# KiCad board panelized.kicad_pcb
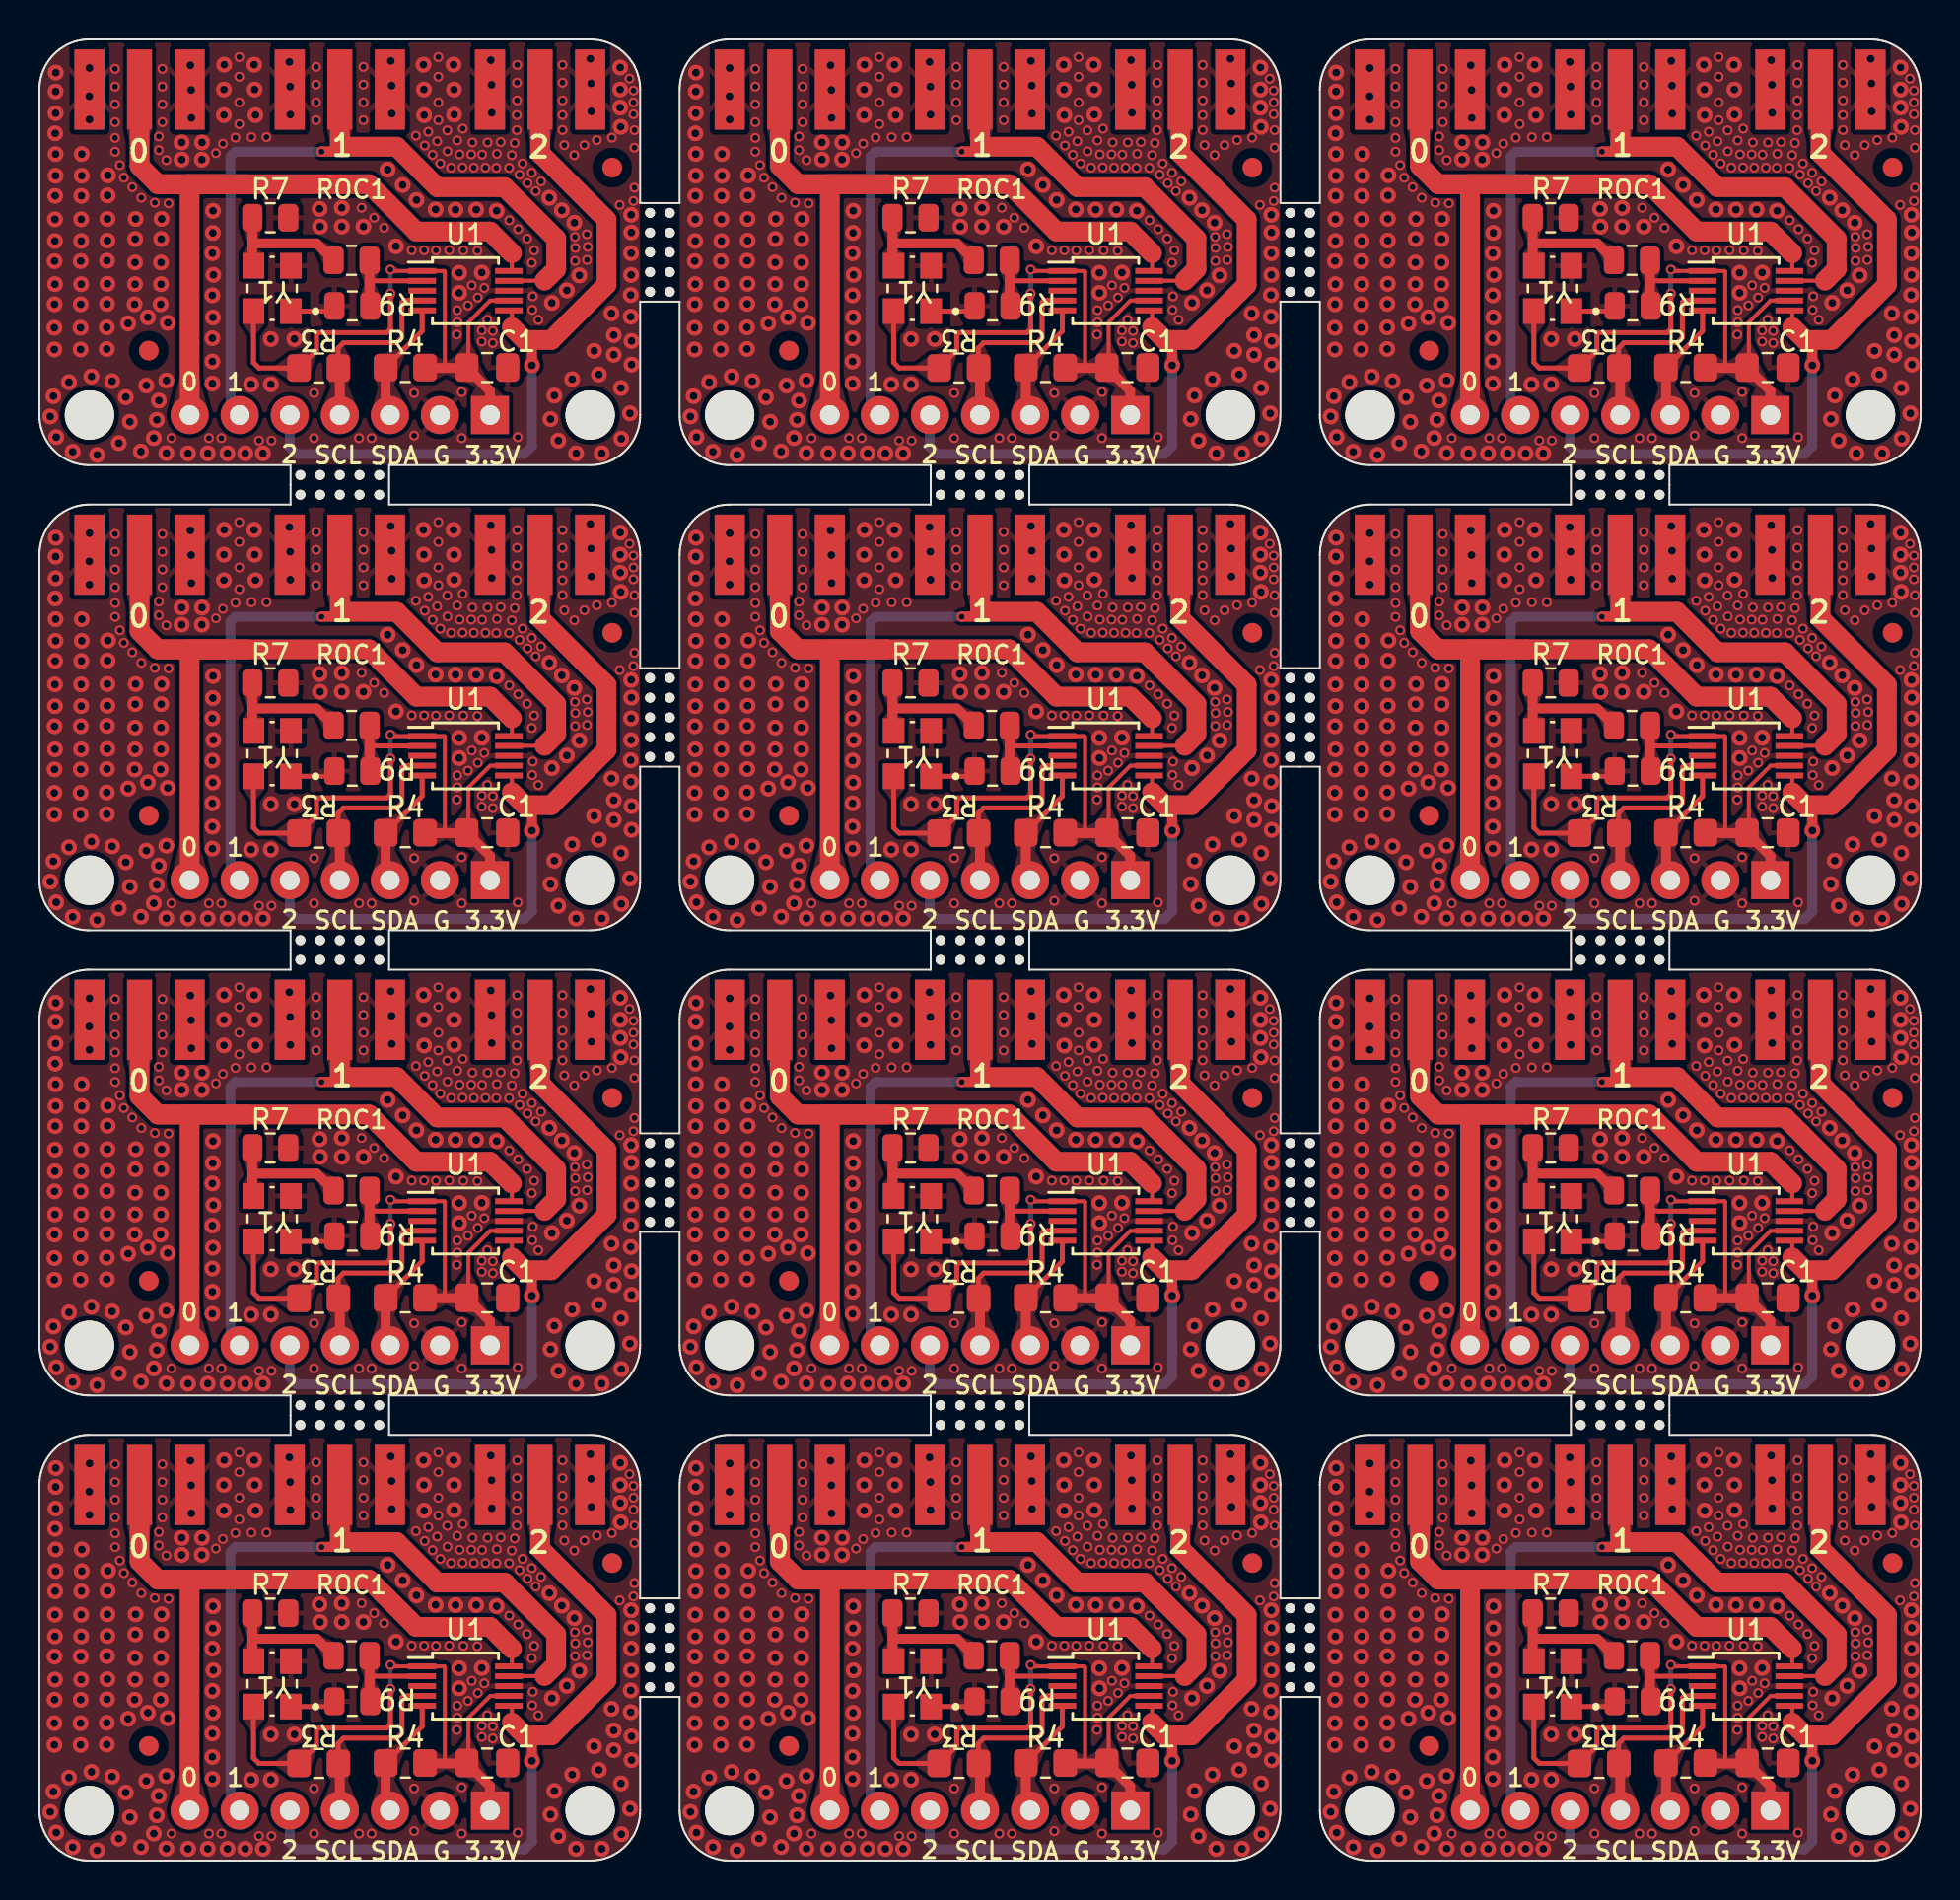
[diagram p0: board, top side]
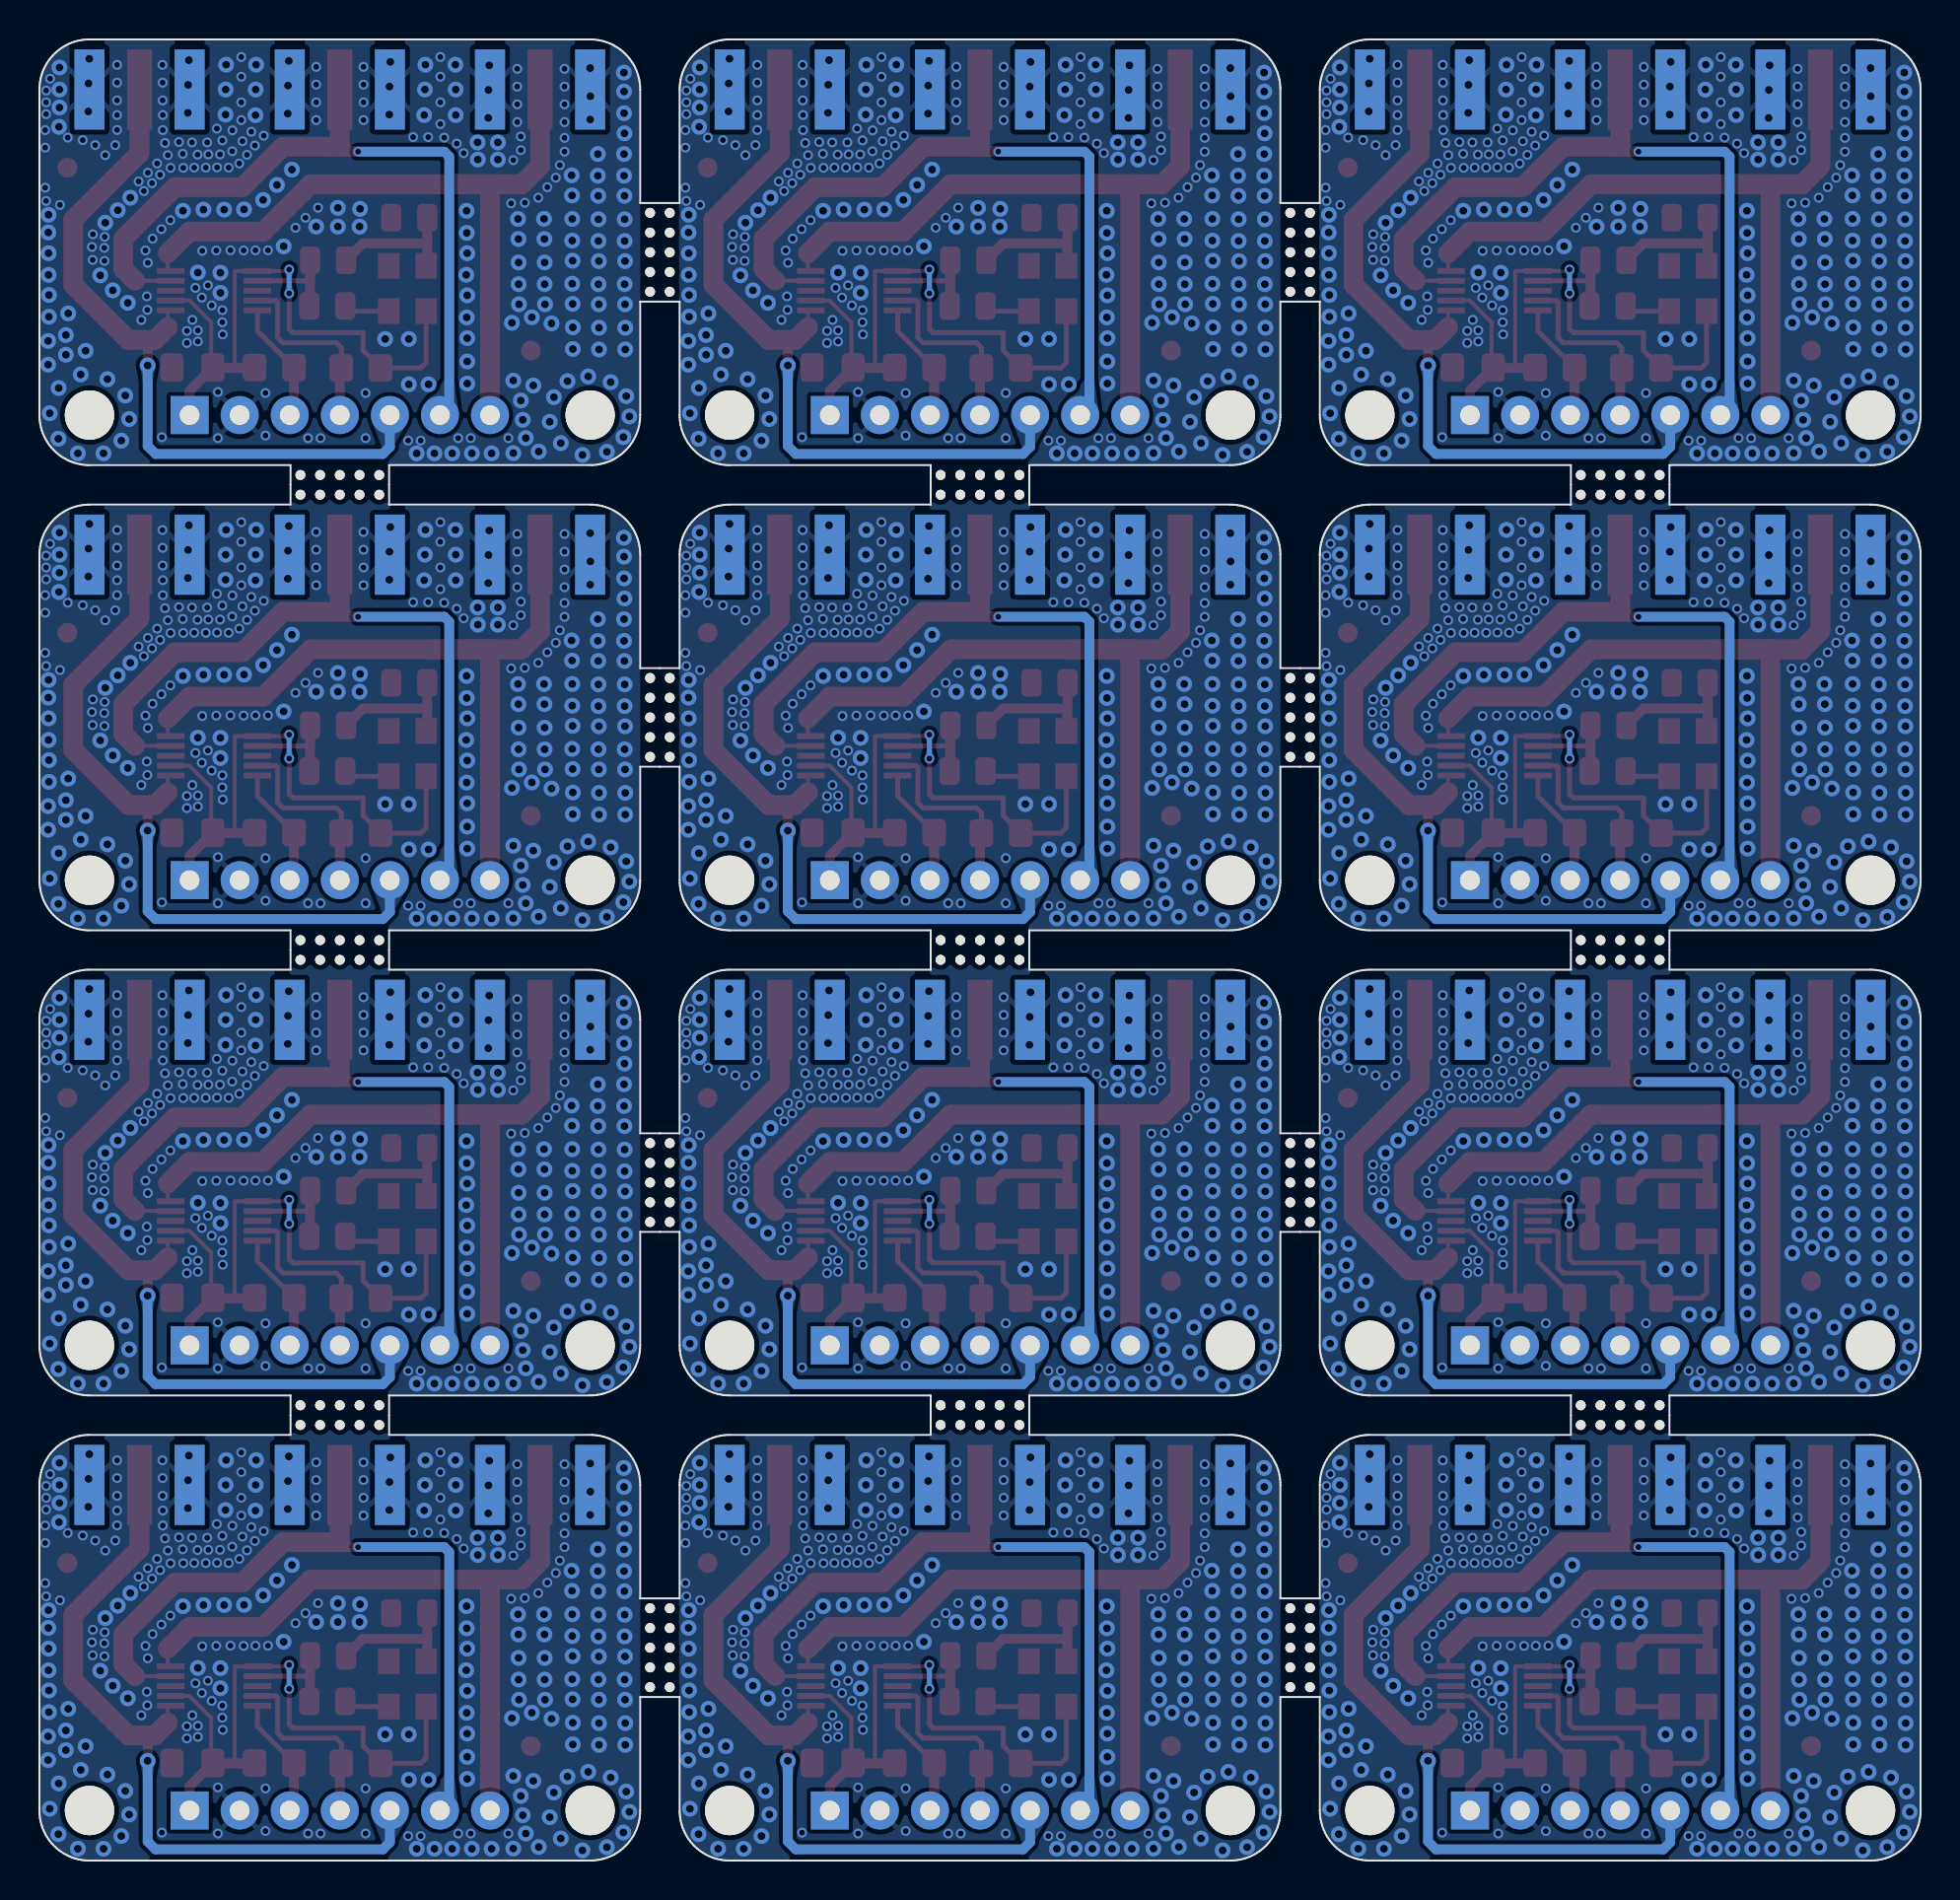
[diagram p1: board, bottom side, seen from below]

Outline 95.44 x 92.36 mm; copper layers: Top, Bottom. Coordinates in mm from the lower left corner of the outline.
Outline path: 0,89.82 0,73.31 0,73.18 0.01,73.05 0.03,72.93 0.05,72.8 0.08,72.67 0.12,72.55 0.16,72.43 0.21,72.31 0.26,72.19 0.32,72.08 0.38,71.97 0.46,71.86 0.53,71.76 0.61,71.66 0.7,71.56 0.79,71.47 0.89,71.38 0.99,71.3 1.09,71.23 1.2,71.15 1.31,71.09 1.42,71.03 1.54,70.98 1.66,70.93 1.78,70.89 1.9,70.85 2.03,70.82 2.16,70.8 2.28,70.78 2.41,70.77 2.54,70.77 12.74,70.77 12.74,68.77 2.54,68.77 2.41,68.77 2.28,68.76 2.16,68.74 2.03,68.72 1.9,68.69 1.78,68.65 1.66,68.61 1.54,68.56 1.42,68.51 1.31,68.45 1.2,68.39 1.09,68.31 0.99,68.24 0.89,68.16 0.79,68.07 0.7,67.98 0.61,67.88 0.53,67.78 0.46,67.68 0.38,67.57 0.32,67.46 0.26,67.35 0.21,67.23 0.16,67.11 0.12,66.99 0.08,66.87 0.05,66.74 0.03,66.61 0.01,66.49 0,66.36 0,66.23 0,49.72 0,49.59 0.01,49.46 0.03,49.34 0.05,49.21 0.08,49.08 0.12,48.96 0.16,48.84 0.21,48.72 0.26,48.6 0.32,48.49 0.38,48.38 0.46,48.27 0.53,48.17 0.61,48.07 0.7,47.97 0.79,47.88 0.89,47.79 0.99,47.71 1.09,47.64 1.2,47.56 1.31,47.5 1.42,47.44 1.54,47.39 1.66,47.34 1.78,47.3 1.9,47.26 2.03,47.23 2.16,47.21 2.28,47.19 2.41,47.18 2.54,47.18 12.74,47.18 12.74,45.18 2.54,45.18 2.41,45.18 2.28,45.17 2.16,45.15 2.03,45.13 1.9,45.1 1.78,45.06 1.66,45.02 1.54,44.97 1.42,44.92 1.31,44.86 1.2,44.8 1.09,44.72 0.99,44.65 0.89,44.57 0.79,44.48 0.7,44.39 0.61,44.29 0.53,44.19 0.46,44.09 0.38,43.98 0.32,43.87 0.26,43.76 0.21,43.64 0.16,43.52 0.12,43.4 0.08,43.28 0.05,43.15 0.03,43.02 0.01,42.9 0,42.77 0,42.64 0,26.13 0,26 0.01,25.87 0.03,25.75 0.05,25.62 0.08,25.49 0.12,25.37 0.16,25.25 0.21,25.13 0.26,25.01 0.32,24.9 0.38,24.79 0.46,24.68 0.53,24.58 0.61,24.48 0.7,24.38 0.79,24.29 0.89,24.2 0.99,24.12 1.09,24.05 1.2,23.97 1.31,23.91 1.42,23.85 1.54,23.8 1.66,23.75 1.78,23.71 1.9,23.67 2.03,23.64 2.16,23.62 2.28,23.6 2.41,23.59 2.54,23.59 12.74,23.59 12.74,21.59 2.54,21.59 2.41,21.59 2.28,21.58 2.16,21.56 2.03,21.54 1.9,21.51 1.78,21.47 1.66,21.43 1.54,21.38 1.42,21.33 1.31,21.27 1.2,21.21 1.09,21.13 0.99,21.06 0.89,20.98 0.79,20.89 0.7,20.8 0.61,20.7 0.53,20.6 0.46,20.5 0.38,20.39 0.32,20.28 0.26,20.17 0.21,20.05 0.16,19.93 0.12,19.81 0.08,19.69 0.05,19.56 0.03,19.43 0.01,19.31 0,19.18 0,19.05 0,2.54 0,2.41 0.01,2.28 0.03,2.16 0.05,2.03 0.08,1.9 0.12,1.78 0.16,1.66 0.21,1.54 0.26,1.42 0.32,1.31 0.38,1.2 0.46,1.09 0.53,0.99 0.61,0.89 0.7,0.79 0.79,0.7 0.89,0.61 0.99,0.53 1.09,0.46 1.2,0.38 1.31,0.32 1.42,0.26 1.54,0.21 1.66,0.16 1.78,0.12 1.9,0.08 2.03,0.05 2.16,0.03 2.28,0.01 2.41,0 2.54,0 27.94,0 28.07,0 28.2,0.01 28.32,0.03 28.45,0.05 28.58,0.08 28.7,0.12 28.82,0.16 28.94,0.21 29.06,0.26 29.17,0.32 29.28,0.38 29.39,0.46 29.49,0.53 29.59,0.61 29.69,0.7 29.78,0.79 29.87,0.89 29.95,0.99 30.02,1.09 30.1,1.2 30.16,1.31 30.22,1.42 30.27,1.54 30.32,1.66 30.36,1.78 30.4,1.9 30.43,2.03 30.45,2.16 30.47,2.28 30.48,2.41 30.48,2.54 30.48,8.3 32.48,8.3 32.48,2.54 32.48,2.41 32.49,2.28 32.51,2.16 32.53,2.03 32.56,1.9 32.6,1.78 32.64,1.66 32.69,1.54 32.74,1.42 32.8,1.31 32.86,1.2 32.94,1.09 33.01,0.99 33.09,0.89 33.18,0.79 33.27,0.7 33.37,0.61 33.47,0.53 33.57,0.46 33.68,0.38 33.79,0.32 33.9,0.26 34.02,0.21 34.14,0.16 34.26,0.12 34.38,0.08 34.51,0.05 34.64,0.03 34.76,0.01 34.89,0 35.02,0 60.42,0 60.55,0 60.68,0.01 60.8,0.03 60.93,0.05 61.06,0.08 61.18,0.12 61.3,0.16 61.42,0.21 61.54,0.26 61.65,0.32 61.76,0.38 61.87,0.46 61.97,0.53 62.07,0.61 62.17,0.7 62.26,0.79 62.35,0.89 62.43,0.99 62.5,1.09 62.58,1.2 62.64,1.31 62.7,1.42 62.75,1.54 62.8,1.66 62.84,1.78 62.88,1.9 62.91,2.03 62.93,2.16 62.95,2.28 62.96,2.41 62.96,2.54 62.96,8.3 64.96,8.3 64.96,2.54 64.96,2.41 64.97,2.28 64.99,2.16 65.01,2.03 65.04,1.9 65.08,1.78 65.12,1.66 65.17,1.54 65.22,1.42 65.28,1.31 65.34,1.2 65.42,1.09 65.49,0.99 65.57,0.89 65.66,0.79 65.75,0.7 65.85,0.61 65.95,0.53 66.05,0.46 66.16,0.38 66.27,0.32 66.38,0.26 66.5,0.21 66.62,0.16 66.74,0.12 66.86,0.08 66.99,0.05 67.12,0.03 67.24,0.01 67.37,0 67.5,0 92.9,0 93.03,0 93.16,0.01 93.28,0.03 93.41,0.05 93.54,0.08 93.66,0.12 93.78,0.16 93.9,0.21 94.02,0.26 94.13,0.32 94.24,0.38 94.35,0.46 94.45,0.53 94.55,0.61 94.65,0.7 94.74,0.79 94.83,0.89 94.91,0.99 94.98,1.09 95.06,1.2 95.12,1.31 95.18,1.42 95.23,1.54 95.28,1.66 95.32,1.78 95.36,1.9 95.39,2.03 95.41,2.16 95.43,2.28 95.44,2.41 95.44,2.54 95.44,19.05 95.44,19.18 95.43,19.31 95.41,19.43 95.39,19.56 95.36,19.69 95.32,19.81 95.28,19.93 95.23,20.05 95.18,20.17 95.12,20.28 95.06,20.39 94.98,20.5 94.91,20.6 94.83,20.7 94.74,20.8 94.65,20.89 94.55,20.98 94.45,21.06 94.35,21.13 94.24,21.21 94.13,21.27 94.02,21.33 93.9,21.38 93.78,21.43 93.66,21.47 93.54,21.51 93.41,21.54 93.28,21.56 93.16,21.58 93.03,21.59 92.9,21.59 82.7,21.59 82.7,23.59 92.9,23.59 93.03,23.59 93.16,23.6 93.28,23.62 93.41,23.64 93.54,23.67 93.66,23.71 93.78,23.75 93.9,23.8 94.02,23.85 94.13,23.91 94.24,23.97 94.35,24.05 94.45,24.12 94.55,24.2 94.65,24.29 94.74,24.38 94.83,24.48 94.91,24.58 94.98,24.68 95.06,24.79 95.12,24.9 95.18,25.01 95.23,25.13 95.28,25.25 95.32,25.37 95.36,25.49 95.39,25.62 95.41,25.75 95.43,25.87 95.44,26 95.44,26.13 95.44,42.64 95.44,42.77 95.43,42.9 95.41,43.02 95.39,43.15 95.36,43.28 95.32,43.4 95.28,43.52 95.23,43.64 95.18,43.76 95.12,43.87 95.06,43.98 94.98,44.09 94.91,44.19 94.83,44.29 94.74,44.39 94.65,44.48 94.55,44.57 94.45,44.65 94.35,44.72 94.24,44.8 94.13,44.86 94.02,44.92 93.9,44.97 93.78,45.02 93.66,45.06 93.54,45.1 93.41,45.13 93.28,45.15 93.16,45.17 93.03,45.18 92.9,45.18 82.7,45.18 82.7,47.18 92.9,47.18 93.03,47.18 93.16,47.19 93.28,47.21 93.41,47.23 93.54,47.26 93.66,47.3 93.78,47.34 93.9,47.39 94.02,47.44 94.13,47.5 94.24,47.56 94.35,47.64 94.45,47.71 94.55,47.79 94.65,47.88 94.74,47.97 94.83,48.07 94.91,48.17 94.98,48.27 95.06,48.38 95.12,48.49 95.18,48.6 95.23,48.72 95.28,48.84 95.32,48.96 95.36,49.08 95.39,49.21 95.41,49.34 95.43,49.46 95.44,49.59 95.44,49.72 95.44,66.23 95.44,66.36 95.43,66.49 95.41,66.61 95.39,66.74 95.36,66.87 95.32,66.99 95.28,67.11 95.23,67.23 95.18,67.35 95.12,67.46 95.06,67.57 94.98,67.68 94.91,67.78 94.83,67.88 94.74,67.98 94.65,68.07 94.55,68.16 94.45,68.24 94.35,68.31 94.24,68.39 94.13,68.45 94.02,68.51 93.9,68.56 93.78,68.61 93.66,68.65 93.54,68.69 93.41,68.72 93.28,68.74 93.16,68.76 93.03,68.77 92.9,68.77 82.7,68.77 82.7,70.77 92.9,70.77 93.03,70.77 93.16,70.78 93.28,70.8 93.41,70.82 93.54,70.85 93.66,70.89 93.78,70.93 93.9,70.98 94.02,71.03 94.13,71.09 94.24,71.15 94.35,71.23 94.45,71.3 94.55,71.38 94.65,71.47 94.74,71.56 94.83,71.66 94.91,71.76 94.98,71.86 95.06,71.97 95.12,72.08 95.18,72.19 95.23,72.31 95.28,72.43 95.32,72.55 95.36,72.67 95.39,72.8 95.41,72.93 95.43,73.05 95.44,73.18 95.44,73.31 95.44,89.82 95.44,89.95 95.43,90.08 95.41,90.2 95.39,90.33 95.36,90.46 95.32,90.58 95.28,90.7 95.23,90.82 95.18,90.94 95.12,91.05 95.06,91.16 94.98,91.27 94.91,91.37 94.83,91.47 94.74,91.57 94.65,91.66 94.55,91.75 94.45,91.83 94.35,91.9 94.24,91.98 94.13,92.04 94.02,92.1 93.9,92.15 93.78,92.2 93.66,92.24 93.54,92.28 93.41,92.31 93.28,92.33 93.16,92.35 93.03,92.36 92.9,92.36 67.5,92.36 67.37,92.36 67.24,92.35 67.12,92.33 66.99,92.31 66.86,92.28 66.74,92.24 66.62,92.2 66.5,92.15 66.38,92.1 66.27,92.04 66.16,91.98 66.05,91.9 65.95,91.83 65.85,91.75 65.75,91.66 65.66,91.57 65.57,91.47 65.49,91.37 65.42,91.27 65.34,91.16 65.28,91.05 65.22,90.94 65.17,90.82 65.12,90.7 65.08,90.58 65.04,90.46 65.01,90.33 64.99,90.2 64.97,90.08 64.96,89.95 64.96,89.82 64.96,84.06 62.96,84.06 62.96,89.82 62.96,89.95 62.95,90.08 62.93,90.2 62.91,90.33 62.88,90.46 62.84,90.58 62.8,90.7 62.75,90.82 62.7,90.94 62.64,91.05 62.58,91.16 62.5,91.27 62.43,91.37 62.35,91.47 62.26,91.57 62.17,91.66 62.07,91.75 61.97,91.83 61.87,91.9 61.76,91.98 61.65,92.04 61.54,92.1 61.42,92.15 61.3,92.2 61.18,92.24 61.06,92.28 60.93,92.31 60.8,92.33 60.68,92.35 60.55,92.36 60.42,92.36 35.02,92.36 34.89,92.36 34.76,92.35 34.64,92.33 34.51,92.31 34.38,92.28 34.26,92.24 34.14,92.2 34.02,92.15 33.9,92.1 33.79,92.04 33.68,91.98 33.57,91.9 33.47,91.83 33.37,91.75 33.27,91.66 33.18,91.57 33.09,91.47 33.01,91.37 32.94,91.27 32.86,91.16 32.8,91.05 32.74,90.94 32.69,90.82 32.64,90.7 32.6,90.58 32.56,90.46 32.53,90.33 32.51,90.2 32.49,90.08 32.48,89.95 32.48,89.82 32.48,84.06 30.48,84.06 30.48,89.82 30.48,89.95 30.47,90.08 30.45,90.2 30.43,90.33 30.4,90.46 30.36,90.58 30.32,90.7 30.27,90.82 30.22,90.94 30.16,91.05 30.1,91.16 30.02,91.27 29.95,91.37 29.87,91.47 29.78,91.57 29.69,91.66 29.59,91.75 29.49,91.83 29.39,91.9 29.28,91.98 29.17,92.04 29.06,92.1 28.94,92.15 28.82,92.2 28.7,92.24 28.58,92.28 28.45,92.31 28.32,92.33 28.2,92.35 28.07,92.36 27.94,92.36 2.54,92.36 2.41,92.36 2.28,92.35 2.16,92.33 2.03,92.31 1.9,92.28 1.78,92.24 1.66,92.2 1.54,92.15 1.42,92.1 1.31,92.04 1.2,91.98 1.09,91.9 0.99,91.83 0.89,91.75 0.79,91.66 0.7,91.57 0.61,91.47 0.53,91.37 0.46,91.27 0.38,91.16 0.32,91.05 0.26,90.94 0.21,90.82 0.16,90.7 0.12,90.58 0.08,90.46 0.05,90.33 0.03,90.2 0.01,90.08 0,89.95 0,89.82 ; 17.74,70.77 27.94,70.77 28.07,70.77 28.2,70.78 28.32,70.8 28.45,70.82 28.58,70.85 28.7,70.89 28.82,70.93 28.94,70.98 29.06,71.03 29.17,71.09 29.28,71.15 29.39,71.23 29.49,71.3 29.59,71.38 29.69,71.47 29.78,71.56 29.87,71.66 29.95,71.76 30.02,71.86 30.1,71.97 30.16,72.08 30.22,72.19 30.27,72.31 30.32,72.43 30.36,72.55 30.4,72.67 30.43,72.8 30.45,72.93 30.47,73.05 30.48,73.18 30.48,73.31 30.48,79.06 32.48,79.06 32.48,73.31 32.48,73.18 32.49,73.05 32.51,72.93 32.53,72.8 32.56,72.67 32.6,72.55 32.64,72.43 32.69,72.31 32.74,72.19 32.8,72.08 32.86,71.97 32.94,71.86 33.01,71.76 33.09,71.66 33.18,71.56 33.27,71.47 33.37,71.38 33.47,71.3 33.57,71.23 33.68,71.15 33.79,71.09 33.9,71.03 34.02,70.98 34.14,70.93 34.26,70.89 34.38,70.85 34.51,70.82 34.64,70.8 34.76,70.78 34.89,70.77 35.02,70.77 45.22,70.77 45.22,68.77 35.02,68.77 34.89,68.77 34.76,68.76 34.64,68.74 34.51,68.72 34.38,68.69 34.26,68.65 34.14,68.61 34.02,68.56 33.9,68.51 33.79,68.45 33.68,68.39 33.57,68.31 33.47,68.24 33.37,68.16 33.27,68.07 33.18,67.98 33.09,67.88 33.01,67.78 32.94,67.68 32.86,67.57 32.8,67.46 32.74,67.35 32.69,67.23 32.64,67.11 32.6,66.99 32.56,66.87 32.53,66.74 32.51,66.61 32.49,66.49 32.48,66.36 32.48,66.23 32.48,60.48 30.48,60.48 30.48,66.23 30.48,66.36 30.47,66.49 30.45,66.61 30.43,66.74 30.4,66.87 30.36,66.99 30.32,67.11 30.27,67.23 30.22,67.35 30.16,67.46 30.1,67.57 30.02,67.68 29.95,67.78 29.87,67.88 29.78,67.98 29.69,68.07 29.59,68.16 29.49,68.24 29.39,68.31 29.28,68.39 29.17,68.45 29.06,68.51 28.94,68.56 28.82,68.61 28.7,68.65 28.58,68.69 28.45,68.72 28.32,68.74 28.2,68.76 28.07,68.77 27.94,68.77 17.74,68.77 17.74,70.77 ; 17.74,47.18 27.94,47.18 28.07,47.18 28.2,47.19 28.32,47.21 28.45,47.23 28.58,47.26 28.7,47.3 28.82,47.34 28.94,47.39 29.06,47.44 29.17,47.5 29.28,47.56 29.39,47.64 29.49,47.71 29.59,47.79 29.69,47.88 29.78,47.97 29.87,48.07 29.95,48.17 30.02,48.27 30.1,48.38 30.16,48.49 30.22,48.6 30.27,48.72 30.32,48.84 30.36,48.96 30.4,49.08 30.43,49.21 30.45,49.34 30.47,49.46 30.48,49.59 30.48,49.72 30.48,55.48 32.48,55.48 32.48,49.72 32.48,49.59 32.49,49.46 32.51,49.34 32.53,49.21 32.56,49.08 32.6,48.96 32.64,48.84 32.69,48.72 32.74,48.6 32.8,48.49 32.86,48.38 32.94,48.27 33.01,48.17 33.09,48.07 33.18,47.97 33.27,47.88 33.37,47.79 33.47,47.71 33.57,47.64 33.68,47.56 33.79,47.5 33.9,47.44 34.02,47.39 34.14,47.34 34.26,47.3 34.38,47.26 34.51,47.23 34.64,47.21 34.76,47.19 34.89,47.18 35.02,47.18 45.22,47.18 45.22,45.18 35.02,45.18 34.89,45.18 34.76,45.17 34.64,45.15 34.51,45.13 34.38,45.1 34.26,45.06 34.14,45.02 34.02,44.97 33.9,44.92 33.79,44.86 33.68,44.8 33.57,44.72 33.47,44.65 33.37,44.57 33.27,44.48 33.18,44.39 33.09,44.29 33.01,44.19 32.94,44.09 32.86,43.98 32.8,43.87 32.74,43.76 32.69,43.64 32.64,43.52 32.6,43.4 32.56,43.28 32.53,43.15 32.51,43.02 32.49,42.9 32.48,42.77 32.48,42.64 32.48,36.89 30.48,36.89 30.48,42.64 30.48,42.77 30.47,42.9 30.45,43.02 30.43,43.15 30.4,43.28 30.36,43.4 30.32,43.52 30.27,43.64 30.22,43.76 30.16,43.87 30.1,43.98 30.02,44.09 29.95,44.19 29.87,44.29 29.78,44.39 29.69,44.48 29.59,44.57 29.49,44.65 29.39,44.72 29.28,44.8 29.17,44.86 29.06,44.92 28.94,44.97 28.82,45.02 28.7,45.06 28.58,45.1 28.45,45.13 28.32,45.15 28.2,45.17 28.07,45.18 27.94,45.18 17.74,45.18 17.74,47.18 ; 17.74,23.59 27.94,23.59 28.07,23.59 28.2,23.6 28.32,23.62 28.45,23.64 28.58,23.67 28.7,23.71 28.82,23.75 28.94,23.8 29.06,23.85 29.17,23.91 29.28,23.97 29.39,24.05 29.49,24.12 29.59,24.2 29.69,24.29 29.78,24.38 29.87,24.48 29.95,24.58 30.02,24.68 30.1,24.79 30.16,24.9 30.22,25.01 30.27,25.13 30.32,25.25 30.36,25.37 30.4,25.49 30.43,25.62 30.45,25.75 30.47,25.87 30.48,26 30.48,26.13 30.48,31.89 32.48,31.89 32.48,26.13 32.48,26 32.49,25.87 32.51,25.75 32.53,25.62 32.56,25.49 32.6,25.37 32.64,25.25 32.69,25.13 32.74,25.01 32.8,24.9 32.86,24.79 32.94,24.68 33.01,24.58 33.09,24.48 33.18,24.38 33.27,24.29 33.37,24.2 33.47,24.12 33.57,24.05 33.68,23.97 33.79,23.91 33.9,23.85 34.02,23.8 34.14,23.75 34.26,23.71 34.38,23.67 34.51,23.64 34.64,23.62 34.76,23.6 34.89,23.59 35.02,23.59 45.22,23.59 45.22,21.59 35.02,21.59 34.89,21.59 34.76,21.58 34.64,21.56 34.51,21.54 34.38,21.51 34.26,21.47 34.14,21.43 34.02,21.38 33.9,21.33 33.79,21.27 33.68,21.21 33.57,21.13 33.47,21.06 33.37,20.98 33.27,20.89 33.18,20.8 33.09,20.7 33.01,20.6 32.94,20.5 32.86,20.39 32.8,20.28 32.74,20.17 32.69,20.05 32.64,19.93 32.6,19.81 32.56,19.69 32.53,19.56 32.51,19.43 32.49,19.31 32.48,19.18 32.48,19.05 32.48,13.3 30.48,13.3 30.48,19.05 30.48,19.18 30.47,19.31 30.45,19.43 30.43,19.56 30.4,19.69 30.36,19.81 30.32,19.93 30.27,20.05 30.22,20.17 30.16,20.28 30.1,20.39 30.02,20.5 29.95,20.6 29.87,20.7 29.78,20.8 29.69,20.89 29.59,20.98 29.49,21.06 29.39,21.13 29.28,21.21 29.17,21.27 29.06,21.33 28.94,21.38 28.82,21.43 28.7,21.47 28.58,21.51 28.45,21.54 28.32,21.56 28.2,21.58 28.07,21.59 27.94,21.59 17.74,21.59 17.74,23.59 ; 50.22,70.77 60.42,70.77 60.55,70.77 60.68,70.78 60.8,70.8 60.93,70.82 61.06,70.85 61.18,70.89 61.3,70.93 61.42,70.98 61.54,71.03 61.65,71.09 61.76,71.15 61.87,71.23 61.97,71.3 62.07,71.38 62.17,71.47 62.26,71.56 62.35,71.66 62.43,71.76 62.5,71.86 62.58,71.97 62.64,72.08 62.7,72.19 62.75,72.31 62.8,72.43 62.84,72.55 62.88,72.67 62.91,72.8 62.93,72.93 62.95,73.05 62.96,73.18 62.96,73.31 62.96,79.06 64.96,79.06 64.96,73.31 64.96,73.18 64.97,73.05 64.99,72.93 65.01,72.8 65.04,72.67 65.08,72.55 65.12,72.43 65.17,72.31 65.22,72.19 65.28,72.08 65.34,71.97 65.42,71.86 65.49,71.76 65.57,71.66 65.66,71.56 65.75,71.47 65.85,71.38 65.95,71.3 66.05,71.23 66.16,71.15 66.27,71.09 66.38,71.03 66.5,70.98 66.62,70.93 66.74,70.89 66.86,70.85 66.99,70.82 67.12,70.8 67.24,70.78 67.37,70.77 67.5,70.77 77.7,70.77 77.7,68.77 67.5,68.77 67.37,68.77 67.24,68.76 67.12,68.74 66.99,68.72 66.86,68.69 66.74,68.65 66.62,68.61 66.5,68.56 66.38,68.51 66.27,68.45 66.16,68.39 66.05,68.31 65.95,68.24 65.85,68.16 65.75,68.07 65.66,67.98 65.57,67.88 65.49,67.78 65.42,67.68 65.34,67.57 65.28,67.46 65.22,67.35 65.17,67.23 65.12,67.11 65.08,66.99 65.04,66.87 65.01,66.74 64.99,66.61 64.97,66.49 64.96,66.36 64.96,66.23 64.96,60.48 62.96,60.48 62.96,66.23 62.96,66.36 62.95,66.49 62.93,66.61 62.91,66.74 62.88,66.87 62.84,66.99 62.8,67.11 62.75,67.23 62.7,67.35 62.64,67.46 62.58,67.57 62.5,67.68 62.43,67.78 62.35,67.88 62.26,67.98 62.17,68.07 62.07,68.16 61.97,68.24 61.87,68.31 61.76,68.39 61.65,68.45 61.54,68.51 61.42,68.56 61.3,68.61 61.18,68.65 61.06,68.69 60.93,68.72 60.8,68.74 60.68,68.76 60.55,68.77 60.42,68.77 50.22,68.77 50.22,70.77 ; 50.22,47.18 60.42,47.18 60.55,47.18 60.68,47.19 60.8,47.21 60.93,47.23 61.06,47.26 61.18,47.3 61.3,47.34 61.42,47.39 61.54,47.44 61.65,47.5 61.76,47.56 61.87,47.64 61.97,47.71 62.07,47.79 62.17,47.88 62.26,47.97 62.35,48.07 62.43,48.17 62.5,48.27 62.58,48.38 62.64,48.49 62.7,48.6 62.75,48.72 62.8,48.84 62.84,48.96 62.88,49.08 62.91,49.21 62.93,49.34 62.95,49.46 62.96,49.59 62.96,49.72 62.96,55.48 64.96,55.48 64.96,49.72 64.96,49.59 64.97,49.46 64.99,49.34 65.01,49.21 65.04,49.08 65.08,48.96 65.12,48.84 65.17,48.72 65.22,48.6 65.28,48.49 65.34,48.38 65.42,48.27 65.49,48.17 65.57,48.07 65.66,47.97 65.75,47.88 65.85,47.79 65.95,47.71 66.05,47.64 66.16,47.56 66.27,47.5 66.38,47.44 66.5,47.39 66.62,47.34 66.74,47.3 66.86,47.26 66.99,47.23 67.12,47.21 67.24,47.19 67.37,47.18 67.5,47.18 77.7,47.18 77.7,45.18 67.5,45.18 67.37,45.18 67.24,45.17 67.12,45.15 66.99,45.13 66.86,45.1 66.74,45.06 66.62,45.02 66.5,44.97 66.38,44.92 66.27,44.86 66.16,44.8 66.05,44.72 65.95,44.65 65.85,44.57 65.75,44.48 65.66,44.39 65.57,44.29 65.49,44.19 65.42,44.09 65.34,43.98 65.28,43.87 65.22,43.76 65.17,43.64 65.12,43.52 65.08,43.4 65.04,43.28 65.01,43.15 64.99,43.02 64.97,42.9 64.96,42.77 64.96,42.64 64.96,36.89 62.96,36.89 62.96,42.64 62.96,42.77 62.95,42.9 62.93,43.02 62.91,43.15 62.88,43.28 62.84,43.4 62.8,43.52 62.75,43.64 62.7,43.76 62.64,43.87 62.58,43.98 62.5,44.09 62.43,44.19 62.35,44.29 62.26,44.39 62.17,44.48 62.07,44.57 61.97,44.65 61.87,44.72 61.76,44.8 61.65,44.86 61.54,44.92 61.42,44.97 61.3,45.02 61.18,45.06 61.06,45.1 60.93,45.13 60.8,45.15 60.68,45.17 60.55,45.18 60.42,45.18 50.22,45.18 50.22,47.18 ; 50.22,23.59 60.42,23.59 60.55,23.59 60.68,23.6 60.8,23.62 60.93,23.64 61.06,23.67 61.18,23.71 61.3,23.75 61.42,23.8 61.54,23.85 61.65,23.91 61.76,23.97 61.87,24.05 61.97,24.12 62.07,24.2 62.17,24.29 62.26,24.38 62.35,24.48 62.43,24.58 62.5,24.68 62.58,24.79 62.64,24.9 62.7,25.01 62.75,25.13 62.8,25.25 62.84,25.37 62.88,25.49 62.91,25.62 62.93,25.75 62.95,25.87 62.96,26 62.96,26.13 62.96,31.89 64.96,31.89 64.96,26.13 64.96,26 64.97,25.87 64.99,25.75 65.01,25.62 65.04,25.49 65.08,25.37 65.12,25.25 65.17,25.13 65.22,25.01 65.28,24.9 65.34,24.79 65.42,24.68 65.49,24.58 65.57,24.48 65.66,24.38 65.75,24.29 65.85,24.2 65.95,24.12 66.05,24.05 66.16,23.97 66.27,23.91 66.38,23.85 66.5,23.8 66.62,23.75 66.74,23.71 66.86,23.67 66.99,23.64 67.12,23.62 67.24,23.6 67.37,23.59 67.5,23.59 77.7,23.59 77.7,21.59 67.5,21.59 67.37,21.59 67.24,21.58 67.12,21.56 66.99,21.54 66.86,21.51 66.74,21.47 66.62,21.43 66.5,21.38 66.38,21.33 66.27,21.27 66.16,21.21 66.05,21.13 65.95,21.06 65.85,20.98 65.75,20.89 65.66,20.8 65.57,20.7 65.49,20.6 65.42,20.5 65.34,20.39 65.28,20.28 65.22,20.17 65.17,20.05 65.12,19.93 65.08,19.81 65.04,19.69 65.01,19.56 64.99,19.43 64.97,19.31 64.96,19.18 64.96,19.05 64.96,13.3 62.96,13.3 62.96,19.05 62.96,19.18 62.95,19.31 62.93,19.43 62.91,19.56 62.88,19.69 62.84,19.81 62.8,19.93 62.75,20.05 62.7,20.17 62.64,20.28 62.58,20.39 62.5,20.5 62.43,20.6 62.35,20.7 62.26,20.8 62.17,20.89 62.07,20.98 61.97,21.06 61.87,21.13 61.76,21.21 61.65,21.27 61.54,21.33 61.42,21.38 61.3,21.43 61.18,21.47 61.06,21.51 60.93,21.54 60.8,21.56 60.68,21.58 60.55,21.59 60.42,21.59 50.22,21.59 50.22,23.59

## Placement (name value [footprint] x y rotation side)
C1  100nF  [C_0805_2012Metric_Pad1.18x1.45mm_HandSolder]  87.68 4.95 0 top
C1#2  100nF  [C_0805_2012Metric_Pad1.18x1.45mm_HandSolder]  55.2 52.13 0 top
C1#3  100nF  [C_0805_2012Metric_Pad1.18x1.45mm_HandSolder]  87.68 75.72 0 top
C1#4  100nF  [C_0805_2012Metric_Pad1.18x1.45mm_HandSolder]  87.68 52.13 0 top
C1#5  100nF  [C_0805_2012Metric_Pad1.18x1.45mm_HandSolder]  55.2 28.54 0 top
C1#6  100nF  [C_0805_2012Metric_Pad1.18x1.45mm_HandSolder]  22.72 28.54 0 top
C1#7  100nF  [C_0805_2012Metric_Pad1.18x1.45mm_HandSolder]  22.72 75.72 0 top
C1#8  100nF  [C_0805_2012Metric_Pad1.18x1.45mm_HandSolder]  87.68 28.54 0 top
C1#9  100nF  [C_0805_2012Metric_Pad1.18x1.45mm_HandSolder]  55.2 4.95 0 top
C1#10  100nF  [C_0805_2012Metric_Pad1.18x1.45mm_HandSolder]  55.2 75.72 0 top
C1#11  100nF  [C_0805_2012Metric_Pad1.18x1.45mm_HandSolder]  22.72 52.13 0 top
C1#12  100nF  [C_0805_2012Metric_Pad1.18x1.45mm_HandSolder]  22.72 4.95 0 top
FID1  ~  [Fiducial_1mm_Mask2mm]  61.54 62.27 0 top
FID1#2  ~  [Fiducial_1mm_Mask2mm]  61.54 38.68 0 top
FID1#3  ~  [Fiducial_1mm_Mask2mm]  94.02 15.09 0 top
FID1#4  ~  [Fiducial_1mm_Mask2mm]  61.54 85.86 0 top
FID1#5  ~  [Fiducial_1mm_Mask2mm]  29.06 62.27 0 top
FID1#6  ~  [Fiducial_1mm_Mask2mm]  94.02 62.27 0 top
FID1#7  ~  [Fiducial_1mm_Mask2mm]  94.02 85.86 0 top
FID1#8  ~  [Fiducial_1mm_Mask2mm]  61.54 15.09 0 top
FID1#9  ~  [Fiducial_1mm_Mask2mm]  29.06 85.86 0 top
FID1#10  ~  [Fiducial_1mm_Mask2mm]  94.02 38.68 0 top
FID1#11  ~  [Fiducial_1mm_Mask2mm]  29.06 38.68 0 top
FID1#12  ~  [Fiducial_1mm_Mask2mm]  29.06 15.09 0 top
FID2  ~  [Fiducial_1mm_Mask2mm]  5.55 76.58 180 top
FID2#2  ~  [Fiducial_1mm_Mask2mm]  38.03 29.4 180 top
FID2#3  ~  [Fiducial_1mm_Mask2mm]  5.55 29.4 180 top
FID2#4  ~  [Fiducial_1mm_Mask2mm]  5.55 52.99 180 top
FID2#5  ~  [Fiducial_1mm_Mask2mm]  5.55 5.81 180 top
FID2#6  ~  [Fiducial_1mm_Mask2mm]  38.03 52.99 180 top
FID2#7  ~  [Fiducial_1mm_Mask2mm]  70.51 29.4 180 top
FID2#8  ~  [Fiducial_1mm_Mask2mm]  70.51 76.58 180 top
FID2#9  ~  [Fiducial_1mm_Mask2mm]  70.51 5.81 180 top
FID2#10  ~  [Fiducial_1mm_Mask2mm]  38.03 5.81 180 top
FID2#11  ~  [Fiducial_1mm_Mask2mm]  70.51 52.99 180 top
FID2#12  ~  [Fiducial_1mm_Mask2mm]  38.03 76.58 180 top
H1  MOUNTINGHOLE2.5  [MountingHole_2.5mm]  35.02 2.54 180 top
H1#2  MOUNTINGHOLE2.5  [MountingHole_2.5mm]  2.54 2.54 180 top
H1#3  MOUNTINGHOLE2.5  [MountingHole_2.5mm]  35.02 26.13 180 top
H1#4  MOUNTINGHOLE2.5  [MountingHole_2.5mm]  67.5 2.54 180 top
H1#5  MOUNTINGHOLE2.5  [MountingHole_2.5mm]  35.02 73.31 180 top
H1#6  MOUNTINGHOLE2.5  [MountingHole_2.5mm]  67.5 49.72 180 top
H1#7  MOUNTINGHOLE2.5  [MountingHole_2.5mm]  35.02 49.72 180 top
H1#8  MOUNTINGHOLE2.5  [MountingHole_2.5mm]  67.5 26.13 180 top
H1#9  MOUNTINGHOLE2.5  [MountingHole_2.5mm]  2.54 26.13 180 top
H1#10  MOUNTINGHOLE2.5  [MountingHole_2.5mm]  67.5 73.31 180 top
H1#11  MOUNTINGHOLE2.5  [MountingHole_2.5mm]  2.54 49.72 180 top
H1#12  MOUNTINGHOLE2.5  [MountingHole_2.5mm]  2.54 73.31 180 top
H2  MOUNTINGHOLE2.5  [MountingHole_2.5mm]  27.94 2.54 180 top
H2#2  MOUNTINGHOLE2.5  [MountingHole_2.5mm]  60.42 49.72 180 top
H2#3  MOUNTINGHOLE2.5  [MountingHole_2.5mm]  27.94 26.13 180 top
H2#4  MOUNTINGHOLE2.5  [MountingHole_2.5mm]  92.9 73.31 180 top
H2#5  MOUNTINGHOLE2.5  [MountingHole_2.5mm]  92.9 49.72 180 top
H2#6  MOUNTINGHOLE2.5  [MountingHole_2.5mm]  60.42 2.54 180 top
H2#7  MOUNTINGHOLE2.5  [MountingHole_2.5mm]  27.94 73.31 180 top
H2#8  MOUNTINGHOLE2.5  [MountingHole_2.5mm]  92.9 2.54 180 top
H2#9  MOUNTINGHOLE2.5  [MountingHole_2.5mm]  60.42 26.13 180 top
H2#10  MOUNTINGHOLE2.5  [MountingHole_2.5mm]  92.9 26.13 180 top
H2#11  MOUNTINGHOLE2.5  [MountingHole_2.5mm]  27.94 49.72 180 top
H2#12  MOUNTINGHOLE2.5  [MountingHole_2.5mm]  60.42 73.31 180 top
JP1  ~  [1X07_ROUND_76]  47.72 49.72 180 top
JP1#2  ~  [1X07_ROUND_76]  15.24 26.13 180 top
JP1#3  ~  [1X07_ROUND_76]  80.2 49.72 180 top
JP1#4  ~  [1X07_ROUND_76]  47.72 2.54 180 top
JP1#5  ~  [1X07_ROUND_76]  15.24 73.31 180 top
JP1#6  ~  [1X07_ROUND_76]  47.72 26.13 180 top
JP1#7  ~  [1X07_ROUND_76]  15.24 2.54 180 top
JP1#8  ~  [1X07_ROUND_76]  15.24 49.72 180 top
JP1#9  ~  [1X07_ROUND_76]  80.2 2.54 180 top
JP1#10  ~  [1X07_ROUND_76]  47.72 73.31 180 top
JP1#11  ~  [1X07_ROUND_76]  80.2 26.13 180 top
JP1#12  ~  [1X07_ROUND_76]  80.2 73.31 180 top
R3  10k  [R_0805_2012Metric_Pad1.20x1.40mm_HandSolder]  14.17 28.52 180 top
R3#2  10k  [R_0805_2012Metric_Pad1.20x1.40mm_HandSolder]  79.13 52.11 180 top
R3#3  10k  [R_0805_2012Metric_Pad1.20x1.40mm_HandSolder]  46.65 75.7 180 top
R3#4  10k  [R_0805_2012Metric_Pad1.20x1.40mm_HandSolder]  46.65 52.11 180 top
R3#5  10k  [R_0805_2012Metric_Pad1.20x1.40mm_HandSolder]  79.13 4.93 180 top
R3#6  10k  [R_0805_2012Metric_Pad1.20x1.40mm_HandSolder]  46.65 4.93 180 top
R3#7  10k  [R_0805_2012Metric_Pad1.20x1.40mm_HandSolder]  46.65 28.52 180 top
R3#8  10k  [R_0805_2012Metric_Pad1.20x1.40mm_HandSolder]  14.17 75.7 180 top
R3#9  10k  [R_0805_2012Metric_Pad1.20x1.40mm_HandSolder]  14.17 4.93 180 top
R3#10  10k  [R_0805_2012Metric_Pad1.20x1.40mm_HandSolder]  14.17 52.11 180 top
R3#11  10k  [R_0805_2012Metric_Pad1.20x1.40mm_HandSolder]  79.13 75.7 180 top
R3#12  10k  [R_0805_2012Metric_Pad1.20x1.40mm_HandSolder]  79.13 28.52 180 top
R4  10k  [R_0805_2012Metric_Pad1.20x1.40mm_HandSolder]  18.56 4.95 0 top
R4#2  10k  [R_0805_2012Metric_Pad1.20x1.40mm_HandSolder]  18.56 75.72 0 top
R4#3  10k  [R_0805_2012Metric_Pad1.20x1.40mm_HandSolder]  51.04 4.95 0 top
R4#4  10k  [R_0805_2012Metric_Pad1.20x1.40mm_HandSolder]  18.56 28.54 0 top
R4#5  10k  [R_0805_2012Metric_Pad1.20x1.40mm_HandSolder]  83.52 28.54 0 top
R4#6  10k  [R_0805_2012Metric_Pad1.20x1.40mm_HandSolder]  18.56 52.13 0 top
R4#7  10k  [R_0805_2012Metric_Pad1.20x1.40mm_HandSolder]  83.52 4.95 0 top
R4#8  10k  [R_0805_2012Metric_Pad1.20x1.40mm_HandSolder]  51.04 75.72 0 top
R4#9  10k  [R_0805_2012Metric_Pad1.20x1.40mm_HandSolder]  51.04 52.13 0 top
R4#10  10k  [R_0805_2012Metric_Pad1.20x1.40mm_HandSolder]  83.52 52.13 0 top
R4#11  10k  [R_0805_2012Metric_Pad1.20x1.40mm_HandSolder]  51.04 28.54 0 top
R4#12  10k  [R_0805_2012Metric_Pad1.20x1.40mm_HandSolder]  83.52 75.72 0 top
R7  100  [R_0805_2012Metric]  11.71 59.73 0 top
R7#2  100  [R_0805_2012Metric]  11.71 36.14 0 top
R7#3  100  [R_0805_2012Metric]  76.67 83.32 0 top
R7#4  100  [R_0805_2012Metric]  44.19 12.55 0 top
R7#5  100  [R_0805_2012Metric]  11.71 12.55 0 top
R7#6  100  [R_0805_2012Metric]  76.67 36.14 0 top
R7#7  100  [R_0805_2012Metric]  44.19 36.14 0 top
R7#8  100  [R_0805_2012Metric]  76.67 12.55 0 top
R7#9  100  [R_0805_2012Metric]  11.71 83.32 0 top
R7#10  100  [R_0805_2012Metric]  44.19 83.32 0 top
R7#11  100  [R_0805_2012Metric]  44.19 59.73 0 top
R7#12  100  [R_0805_2012Metric]  76.67 59.73 0 top
R9  100  [R_0805_2012Metric]  48.36 78.84 180 top
R9#2  100  [R_0805_2012Metric]  48.36 31.66 180 top
R9#3  100  [R_0805_2012Metric]  48.36 8.07 180 top
R9#4  100  [R_0805_2012Metric]  80.84 55.25 180 top
R9#5  100  [R_0805_2012Metric]  80.84 31.66 180 top
R9#6  100  [R_0805_2012Metric]  15.88 8.07 180 top
R9#7  100  [R_0805_2012Metric]  15.88 31.66 180 top
R9#8  100  [R_0805_2012Metric]  80.84 8.07 180 top
R9#9  100  [R_0805_2012Metric]  15.88 55.25 180 top
R9#10  100  [R_0805_2012Metric]  48.36 55.25 180 top
R9#11  100  [R_0805_2012Metric]  80.84 78.84 180 top
R9#12  100  [R_0805_2012Metric]  15.88 78.84 180 top
REF**  -  [NPTH]  82.2 70.27 0 top
REF**#2  -  [NPTH]  64.46 9.8 0 top
REF**#3  -  [NPTH]  45.72 69.27 0 top
REF**#4  -  [NPTH]  48.72 22.09 0 top
REF**#5  -  [NPTH]  64.46 80.56 0 top
REF**#6  -  [NPTH]  17.24 22.09 0 top
REF**#7  -  [NPTH]  64.46 81.56 0 top
REF**#8  -  [NPTH]  14.24 45.68 0 top
REF**#9  -  [NPTH]  80.2 69.27 0 top
REF**#10  -  [NPTH]  63.46 59.98 0 top
REF**#11  -  [NPTH]  63.46 82.56 0 top
REF**#12  -  [NPTH]  30.98 33.39 0 top
REF**#13  -  [NPTH]  63.46 33.39 0 top
REF**#14  -  [NPTH]  63.46 12.8 0 top
REF**#15  -  [NPTH]  14.24 22.09 0 top
REF**#16  -  [NPTH]  30.98 57.98 0 top
REF**#17  -  [NPTH]  31.98 58.98 0 top
REF**#18  -  [NPTH]  80.2 45.68 0 top
REF**#19  -  [NPTH]  82.2 22.09 0 top
REF**#20  -  [NPTH]  64.46 36.39 0 top
REF**#21  -  [NPTH]  31.98 9.8 0 top
REF**#22  -  [NPTH]  31.98 10.8 0 top
REF**#23  -  [NPTH]  49.72 46.68 0 top
REF**#24  -  [NPTH]  82.2 46.68 0 top
REF**#25  -  [NPTH]  82.2 69.27 0 top
REF**#26  -  [NPTH]  30.98 83.56 0 top
REF**#27  -  [NPTH]  81.2 23.09 0 top
REF**#28  -  [NPTH]  47.72 46.68 0 top
REF**#29  -  [NPTH]  80.2 22.09 0 top
REF**#30  -  [NPTH]  63.46 83.56 0 top
REF**#31  -  [NPTH]  45.72 45.68 0 top
REF**#32  -  [NPTH]  46.72 23.09 0 top
REF**#33  -  [NPTH]  30.98 34.39 0 top
REF**#34  -  [NPTH]  79.2 45.68 0 top
REF**#35  -  [NPTH]  30.98 55.98 0 top
REF**#36  -  [NPTH]  30.98 32.39 0 top
REF**#37  -  [NPTH]  31.98 55.98 0 top
REF**#38  -  [NPTH]  30.98 12.8 0 top